# Allegro board 6089-119-RevA_41.brd (continued)
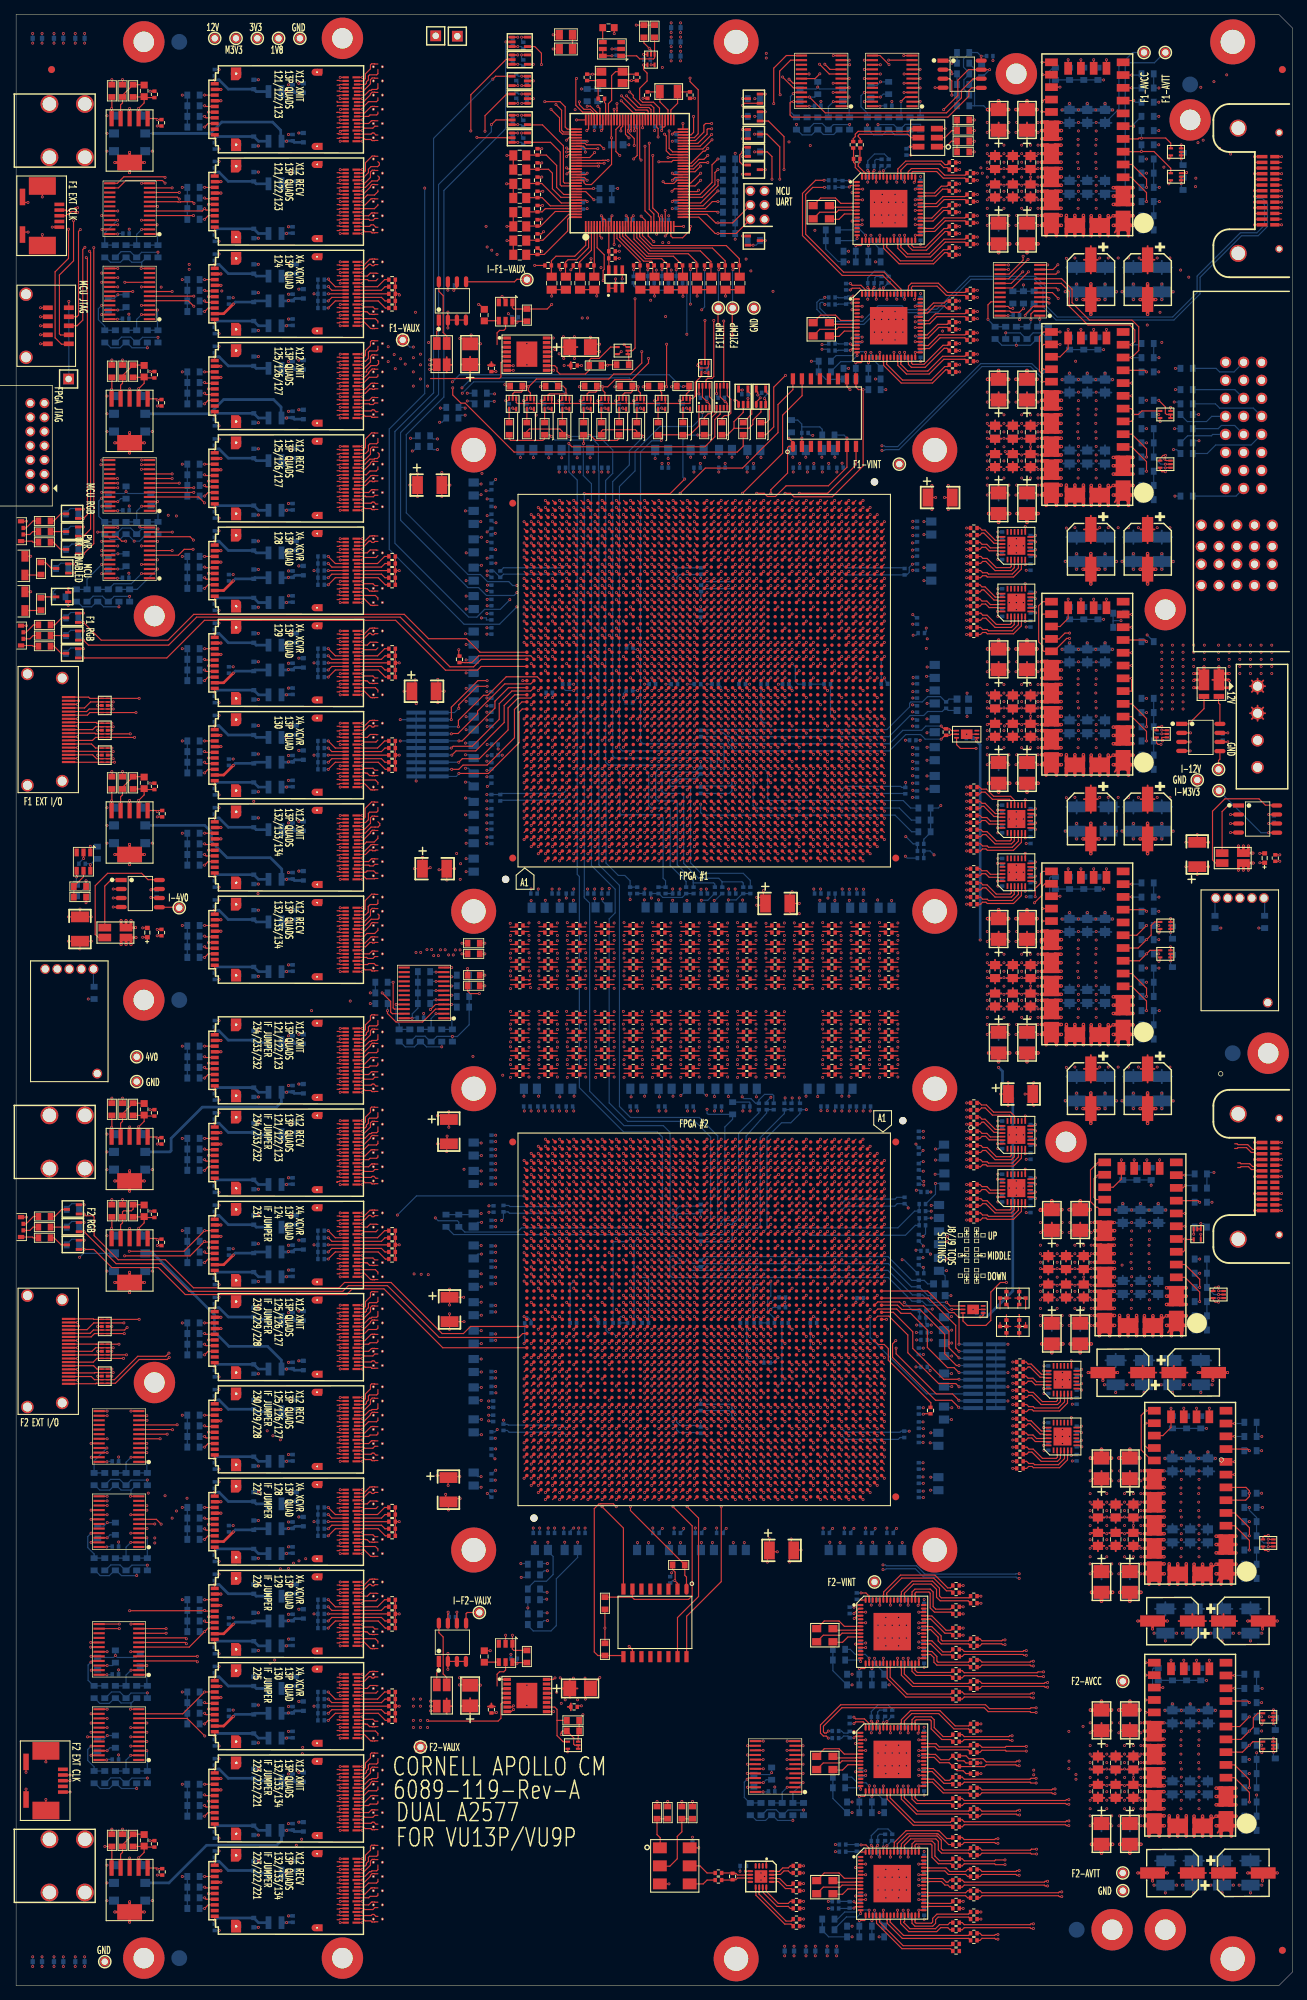
[diagram p0: board, top side]
## Routing (per net, layer and track width the routed paths; a pad name or vN(x,y) marks a point on that pad's centre or on a via; arc(x,y) is an arc through that point) (continued)
PF1_FF3_XMIT0: length 59.8
  TOP w0.165: U32A.B18 45.65,156.4 45.56,156.31 45.25,156.31 ; U75.C37 73.61,195.29
  SIG1 w0.083: 45.25,156.31 45.45,156.51 arc(45.48,156.53) 45.51,156.54 48.35,156.54 arc(48.92,156.42) 49.4,156.1 49.54,155.97 arc(50.23,155.5) 51.05,155.34 51.42,155.34 arc(52.18,155.49) 52.82,155.92 63.47,166.57 arc(63.94,167.27) 64.1,168.09 64.1,186.58 arc(64.25,187.34) 64.68,187.98 66.89,190.19 arc(67.13,190.54) 67.21,190.96 67.21,191.24 arc(67.3,191.68) 67.54,192.05 70.95,195.45 70.95,195.46 arc(71.21,195.63) 71.51,195.69 73.53,195.69 arc(73.58,195.66) 73.61,195.6 73.61,195.29
PF1_FF3_XMIT1: length 53.4
  TOP w0.165: U32A.A18 48.95,156.4 49.38,155.97 50.52,155.97 50.57,156.02 51,156.02 ; U75.A37 71.61,195.29
  SIG2 w0.083: 51,156.02 51.64,156.02 arc(51.77,156.04) 51.88,156.12 52,156.24 52.05,156.24 arc(52.08,156.25) 52.11,156.26 52.11,156.27 arc(52.14,156.29) 52.17,156.3 52.64,156.3 52.64,156.3 52.7,156.3 arc(53.16,156.39) 53.55,156.65 69.17,172.28 arc(69.78,173.19) 70,174.27 70,194.21 arc(70.09,194.66) 70.35,195.05 70.7,195.4 arc(71.02,195.62) 71.4,195.69 arc(71.55,195.63) 71.61,195.48 71.61,195.29
PF1_FF3_XMIT2: length 59
  TOP w0.165: U32A.B15 45.65,157.9 45.56,157.81 45.25,157.81 ; U75.B39 72.61,197.29
  SIG1 w0.083: 45.25,157.81 45.45,158.01 arc(45.48,158.03) 45.51,158.04 48.59,158.04 arc(48.89,157.97) 49.15,157.8 arc(49.72,157.42) 50.39,157.29 51.03,157.29 arc(51.83,157.45) 52.5,157.9 62.54,167.94 arc(62.88,168.45) 63,169.06 63,188.56 arc(63.11,189.11) 63.42,189.58 66.72,192.87 arc(66.89,193.13) 66.96,193.45 66.96,193.72 arc(67.04,194.17) 67.3,194.55 70.2,197.46 arc(70.46,197.63) 70.76,197.69 72.44,197.69 arc(72.44,197.69) 72.44,197.69 72.53,197.69 arc(72.58,197.66) 72.61,197.6 72.61,197.29
PF1_FF3_XMIT3: length 55.2
  TOP w0.165: U32A.A15 49.74,157.9 49.85,157.78 50.33,157.78 50.57,158.02 51,158.02 ; U75.A41 71.61,199.29
  SIG2 w0.083: 51,158.02 51.64,158.02 arc(51.77,158.04) 51.88,158.12 52,158.24 52.05,158.24 arc(52.08,158.25) 52.11,158.26 52.11,158.27 arc(52.14,158.29) 52.17,158.3 52.19,158.3 arc(52.84,158.42) 53.39,158.79 68.34,173.74 arc(68.83,174.48) 69,175.34 69,197.03 arc(69.13,197.69) 69.51,198.26 70.75,199.5 arc(70.97,199.65) 71.23,199.7 71.45,199.7 arc(71.56,199.65) 71.61,199.54 71.61,199.29
PF1_FF3_XMIT4: length 61.9
  TOP w0.165: U75.E41 75.61,199.29 ; U32A.B12 45.65,159.4 45.56,159.31 45.25,159.31
  SIG1 w0.083: 75.61,199.29 75.61,199.43 arc(75.53,199.61) 75.35,199.69 71,199.69 arc(70.3,199.55) 69.71,199.16 66.89,196.34 66.6,196.04 66.59,196.04 62.65,192.1 arc(62.17,191.38) 62,190.53 62,170.15 arc(61.86,169.46) 61.47,168.88 52.44,159.84 arc(51.77,159.4) 50.99,159.24 49.61,159.24 arc(49.34,159.3) 49.1,159.45 arc(49.01,159.51) 48.9,159.54 45.51,159.54 arc(45.48,159.53) 45.45,159.51 45.25,159.31
PF1_FF3_XMIT5: length 57.1
  TOP w0.165: 48.05,159.4 U32A.A12 49.25,159.4 49.87,160.02 50.16,160.02 50.25,159.93 50.62,159.93 50.71,160.02 51,160.02 ; U75.C41 73.61,199.29
  SIG2 w0.083: 73.61,199.29 73.61,199.44 arc(73.53,199.62) 73.35,199.7 72.51,199.7 arc(72.32,199.74) 72.15,199.85 72.14,199.86 arc(72.04,200.02) 72,200.2 72,200.31 arc(71.97,200.44) 71.9,200.55 arc(71.73,200.66) 71.54,200.7 71.3,200.7 arc(70.7,200.58) 70.19,200.24 68.65,198.7 arc(68.17,197.98) 68,197.13 68,176.81 arc(67.74,175.51) 67.01,174.41 53.32,160.72 arc(52.85,160.41) 52.28,160.3 52.17,160.3 arc(52.14,160.29) 52.11,160.27 52.11,160.26 arc(52.08,160.25) 52.05,160.24 52,160.24 51.88,160.12 arc(51.77,160.04) 51.64,160.02 51,160.02
PF1_FF3_XMIT6: length 59
  TOP w0.165: 45.25,160.81 45.56,160.81 45.65,160.9 U32A.B9 ; U75.B43 72.61,201.29
  SIG1 w0.083: 45.25,160.81 45.45,161.01 arc(45.48,161.03) 45.51,161.04 48.63,161.04 arc(49,161.08) 49.35,161.21 arc(49.62,161.31) 49.89,161.34 51.52,161.34 arc(52.18,161.47) 52.74,161.85 60.4,169.51 arc(60.85,170.17) 61,170.95 61,191.72 arc(61.12,192.34) 61.47,192.86 69.69,201.08 arc(70.36,201.53) 71.16,201.69 72.35,201.69 arc(72.53,201.61) 72.61,201.43 72.61,201.29
PF1_FF3_XMIT7: length 57.2
  TOP w0.165: 48,160.9 U32A.A9 49.14,160.9 49.4,161.16 50.48,161.16 51,161.68 51,162.02 ; U75.D43 74.61,201.29
  SIG2 w0.083: 74.61,201.29 74.61,201.39 arc(74.52,201.61) 74.3,201.7 71.15,201.7 arc(70.32,201.53) 69.61,201.06 67.8,199.25 arc(67.22,198.37) 67.01,197.34 67.01,177.31 arc(66.79,176.2) 66.16,175.27 53.85,162.96 arc(53.12,162.47) 52.26,162.3 52.17,162.3 arc(52.14,162.29) 52.11,162.27 52.11,162.26 arc(52.08,162.25) 52.05,162.24 52,162.24 51.88,162.12 arc(51.77,162.04) 51.64,162.02 51,162.02
PF1_FF3_XMIT8: length 63.8
  TOP w0.165: U32A.B6 45.65,162.4 45.56,162.31 45.25,162.31 ; U75.F43 76.61,201.29
  SIG1 w0.083: 45.25,162.31 45.45,162.51 arc(45.48,162.53) 45.51,162.54 48.37,162.54 arc(48.98,162.66) 49.5,163 arc(49.82,163.22) 50.19,163.29 51.74,163.29 arc(52.61,163.46) 53.36,163.96 59.24,169.84 arc(59.8,170.69) 60,171.68 60,192.41 arc(60.22,193.51) 60.84,194.44 68.48,202.08 arc(69.1,202.49) 69.84,202.64 73.77,202.64 arc(73.97,202.56) 74.05,202.36 74.05,202.15 arc(74.18,201.83) 74.5,201.7 76.4,201.7 arc(76.55,201.64) 76.61,201.49 76.61,201.29
PF1_FF3_XMIT9: length 61.1
  TOP w0.165: 48.05,162.4 U32A.A6 49.18,162.4 50.04,163.26 50.6,163.26 51.02,163.26 51.27,163.52 51.27,163.75 51,164.02 ; U75.G45 77.61,203.29
  SIG2 w0.083: 77.61,203.29 77.61,203.39 arc(77.53,203.57) 77.35,203.65 71.2,203.65 arc(70.14,203.44) 69.24,202.84 65.72,199.32 arc(65.31,198.7) 65.16,197.96 65.16,176.73 arc(64.98,175.84) 64.48,175.08 64.48,175.08 54.59,165.19 arc(53.6,164.53) 52.43,164.3 52.17,164.3 arc(52.14,164.29) 52.11,164.27 52.11,164.26 arc(52.08,164.25) 52.05,164.24 52,164.24 51.88,164.12 arc(51.77,164.04) 51.64,164.02 51,164.02
PF1_FF3_XMIT10: length 66.4
  TOP w0.165: U32A.B3 45.65,163.9 45.56,163.81 45.25,163.81 ; U75.H43 78.61,201.29
  SIG1 w0.083: 78.61,201.29 78.61,201.38 arc(78.52,201.6) 78.3,201.69 77.5,201.69 arc(77.14,201.84) 76.99,202.2 76.99,203.35 arc(76.91,203.56) 76.7,203.64 69.19,203.64 arc(68.45,203.49) 67.83,203.08 59.68,194.93 59.68,194.93 arc(59.18,194.18) 59,193.29 59,172.39 arc(58.82,171.48) 58.3,170.7 53.3,165.7 arc(52.74,165.32) 52.07,165.19 50.69,165.19 arc(50.18,165.09) 49.75,164.8 arc(48.9,164.23) 47.9,164.04 45.51,164.04 arc(45.48,164.03) 45.45,164.01 45.25,163.81
PF1_FF3_XMIT11: length 63.7
  TOP w0.165: 48,163.9 U32A.A3 49.25,163.9 49.66,164.31 49.66,165.18 49.85,165.37 50.83,165.37 51,165.54 51,166.02 ; U75.J45 79.61,203.29
  SIG2 w0.083: 51,166.02 51.64,166.02 arc(51.77,166.04) 51.88,166.12 52,166.24 52.05,166.24 arc(52.08,166.25) 52.11,166.26 52.11,166.27 arc(52.14,166.29) 52.17,166.3 52.39,166.3 arc(53.78,166.57) 54.96,167.36 59.07,171.47 arc(59.76,172.5) 60,173.71 60,194.56 arc(60.13,195.2) 60.48,195.73 68.64,203.89 arc(69.54,204.49) 70.6,204.7 77.7,204.7 arc(77.91,204.61) 78,204.4 78,204.15 arc(78.13,203.83) 78.45,203.7 79.35,203.7 arc(79.53,203.62) 79.61,203.44 79.61,203.29
PF1_FF4_RECV0: length 83.5
  TOP w0.165: U75.BA50 112.39,208.29 ; 45.25,234.97 45.58,234.97 45.65,234.9 U26A.B17
  SIG4 w0.083: 45.25,234.97 45.45,234.77 arc(45.48,234.75) 45.51,234.75 48.96,234.75 arc(49.22,234.8) 49.45,234.95 arc(49.56,235.02) 49.69,235.05 53.64,235.05 arc(53.83,235.01) 54,234.9 55.5,233.4 arc(55.55,233.38) 55.6,233.4 arc(55.65,233.42) 55.7,233.4 55.83,233.26 arc(55.85,233.21) 55.83,233.16 arc(55.81,233.12) 55.83,233.07 55.97,232.93 arc(56.02,232.91) 56.07,232.93 arc(56.12,232.95) 56.16,232.93 56.3,232.8 arc(56.32,232.75) 56.3,232.7 arc(56.28,232.65) 56.3,232.6 56.44,232.46 arc(56.48,232.44) 56.53,232.46 arc(56.58,232.48) 56.63,232.46 56.77,232.33 arc(56.79,232.28) 56.77,232.23 arc(56.75,232.18) 56.77,232.13 56.9,232 arc(56.95,231.98) 57,232 arc(57.05,232.02) 57.1,232 57.23,231.86 arc(57.25,231.81) 57.23,231.76 arc(57.21,231.72) 57.23,231.67 64.29,224.61 arc(65.08,224.08) 66,223.9 94.79,223.9 arc(95.86,223.69) 96.76,223.08 109.44,210.41 arc(109.85,209.79) 110,209.05 110,208.11 arc(110.06,207.96) 110.21,207.9 112.53,207.9 arc(112.71,207.98) 112.79,208.16 112.79,208.5 arc(112.74,208.63) 112.6,208.69 112.47,208.69 arc(112.42,208.66) 112.39,208.6 112.39,208.29
PF1_FF4_RECV1: length 80.8
  TOP w0.165: U26A.A17 50.65,234.9 51,234.55 51,234.28 ; U75.AY48 111.39,206.29
  SIG3 w0.083: 51,234.28 51.64,234.28 arc(51.77,234.26) 51.88,234.18 52,234.06 52.05,234.06 arc(52.08,234.05) 52.11,234.04 52.11,234.03 arc(52.14,234.01) 52.17,234 53.9,234 arc(54.82,233.82) 55.6,233.3 60.23,228.67 arc(60.28,228.65) 60.33,228.67 arc(60.37,228.69) 60.42,228.67 60.56,228.53 arc(60.58,228.48) 60.56,228.44 arc(60.54,228.39) 60.56,228.34 60.7,228.2 arc(60.75,228.18) 60.79,228.2 arc(60.84,228.22) 60.89,228.2 61.03,228.06 arc(61.05,228.02) 61.03,227.97 arc(61.01,227.92) 61.03,227.87 61.16,227.74 arc(61.21,227.72) 61.26,227.74 arc(61.31,227.75) 61.35,227.74 61.49,227.6 arc(61.51,227.55) 61.49,227.5 arc(61.47,227.45) 61.49,227.41 61.63,227.27 arc(61.68,227.25) 61.73,227.27 arc(61.77,227.29) 61.82,227.27 61.96,227.13 arc(61.98,227.08) 61.96,227.03 arc(61.94,226.99) 61.96,226.94 65.35,223.55 arc(66.07,223.07) 66.92,222.9 95.92,222.9 arc(96.87,222.71) 97.67,222.18 108.4,211.45 arc(108.84,210.79) 109,210 109,206.11 arc(109.06,205.96) 109.21,205.9 111.53,205.9 arc(111.71,205.98) 111.79,206.16 111.79,206.5 arc(111.74,206.63) 111.6,206.69 111.47,206.69 arc(111.42,206.66) 111.39,206.6 111.39,206.29
PF1_FF4_RECV2: length 81.1
  TOP w0.165: 45.25,236.47 45.58,236.47 45.65,236.4 U26A.B14 ; U75.AW50 110.39,208.29
  SIG4 w0.083: 110.39,208.29 110.39,208.6 arc(110.42,208.66) 110.47,208.69 110.56,208.69 arc(110.88,208.82) 111.01,209.14 111.01,210.05 arc(110.92,210.5) 110.66,210.89 97,224.55 arc(96.61,224.81) 96.15,224.9 66.91,224.9 arc(66.07,225.07) 65.36,225.54 54.45,236.45 arc(53.89,236.83) 53.23,236.96 50.55,236.96 arc(50.01,236.85) 49.55,236.55 arc(49.22,236.32) 48.82,236.25 45.51,236.25 arc(45.48,236.25) 45.45,236.27 45.25,236.47
PF1_FF4_RECV3: length 78.2
  TOP w0.165: U26A.A14 48.86,236.4 49.01,236.55 50.3,236.55 50.57,236.28 51,236.28 ; U75.AV48 109.39,206.29
  SIG3 w0.083: 51,236.28 51.64,236.28 arc(51.77,236.26) 51.88,236.18 52,236.06 52.05,236.06 arc(52.08,236.05) 52.11,236.04 52.11,236.03 arc(52.14,236.01) 52.17,236 53.86,236 arc(54.82,235.81) 55.63,235.27 66.75,224.15 arc(67.03,223.97) 67.36,223.9 96.86,223.9 arc(97.59,223.75) 98.21,223.34 109.25,212.3 arc(109.81,211.46) 110.01,210.47 110.01,207.14 arc(109.88,206.82) 109.56,206.69 109.47,206.69 arc(109.42,206.66) 109.39,206.6 109.39,206.29
PF1_FF4_XMIT0: length 86.2
  TOP w0.165: U26A.A3 49.09,241.9 49.75,242.56 49.99,242.56 50.18,242.37 50.42,242.37 50.57,242.52 51,242.52 ; U75.BA45 112.39,203.29
  SIG2 w0.083: 112.39,203.29 112.39,203.56 arc(112.35,203.65) 112.27,203.69 112.14,203.69 arc(111.9,203.79) 111.8,204.03 111.8,210.98 arc(111.63,211.83) 111.15,212.56 98.68,225.03 arc(97.94,225.52) 97.07,225.69 71.41,225.69 arc(70.3,225.91) 69.36,226.54 53.44,242.46 arc(53.07,242.71) 52.62,242.8 52.17,242.8 arc(52.14,242.79) 52.11,242.77 52.11,242.76 arc(52.08,242.75) 52.05,242.74 52,242.74 51.88,242.62 arc(51.77,242.54) 51.64,242.52 51,242.52
PF1_FF4_XMIT1: length 89.8
  TOP w0.165: U75.AY43 111.39,201.29 ; U26A.B3 45.65,241.9 45.56,241.81 45.25,241.81
  SIG1 w0.083: 45.25,241.81 45.45,242.01 arc(45.48,242.03) 45.51,242.04 49.25,242.04 arc(49.36,242.01) 49.45,241.95 arc(49.69,241.8) 49.96,241.74 53.6,241.74 arc(54.12,241.64) 54.56,241.34 69.63,226.27 arc(70.27,225.84) 71.03,225.69 94.99,225.69 arc(95.52,225.59) 95.97,225.29 110.54,210.71 arc(110.73,210.43) 110.8,210.09 110.8,202.03 arc(110.84,201.88) 110.93,201.76 arc(111.03,201.7) 111.14,201.69 111.27,201.69 arc(111.35,201.65) 111.39,201.56 111.39,201.29
PF1_FF4_XMIT2: length 83
  TOP w0.165: U26A.A6 49.55,240.4 49.7,240.25 50.73,240.25 51,240.52 ; U75.AW45 110.39,203.29
  SIG2 w0.083: 51,240.52 51.64,240.52 arc(51.77,240.54) 51.88,240.62 52,240.74 52.05,240.74 arc(52.08,240.75) 52.11,240.76 52.11,240.77 arc(52.14,240.79) 52.17,240.8 52.42,240.8 arc(52.78,240.72) 53.08,240.52 68.23,225.37 arc(68.99,224.87) 69.88,224.69 96.15,224.69 arc(96.53,224.61) 96.86,224.4 109.05,212.2 arc(109.61,211.37) 109.8,210.39 109.8,204.03 arc(109.9,203.79) 110.14,203.69 110.27,203.69 arc(110.35,203.65) 110.39,203.56 110.39,203.29
PF1_FF4_XMIT3: length 87.2
  TOP w0.165: U75.AV43 109.39,201.29 ; U26A.B6 45.8,240.4 45.7,240.3 45.26,240.3
  SIG1 w0.083: 45.26,240.3 45.49,240.53 45.69,240.53 45.7,240.54 49.02,240.54 arc(49.39,240.46) 49.7,240.25 arc(50.21,239.91) 50.82,239.79 53.15,239.79 arc(53.76,239.67) 54.28,239.32 68.44,225.17 arc(68.96,224.81) 69.59,224.69 94.16,224.69 arc(94.81,224.56) 95.36,224.19 108.45,211.11 arc(108.71,210.72) 108.8,210.25 108.8,202.03 arc(108.84,201.88) 108.93,201.76 arc(109.03,201.7) 109.14,201.69 109.27,201.69 arc(109.35,201.65) 109.39,201.56 109.39,201.29
PF1_FF5_RECV0: length 67.9
  TOP w0.165: U29A.B17 45.65,195.9 45.58,195.97 45.25,195.97 ; U75.AE50 95.61,208.29
  SIG4 w0.083: 45.25,195.97 45.45,195.77 arc(45.48,195.75) 45.51,195.75 48.96,195.75 arc(49.22,195.8) 49.45,195.95 arc(49.56,196.02) 49.69,196.05 50.67,196.05 arc(51.36,196.19) 51.94,196.57 52.37,197.01 arc(52.39,197.06) 52.37,197.11 arc(52.35,197.17) 52.37,197.22 52.5,197.35 arc(52.55,197.37) 52.61,197.35 arc(52.66,197.32) 52.71,197.35 52.84,197.48 arc(52.86,197.53) 52.84,197.58 arc(52.82,197.63) 52.84,197.68 52.97,197.81 arc(53.02,197.83) 53.07,197.81 arc(53.12,197.79) 53.18,197.81 53.31,197.94 arc(53.33,197.99) 53.31,198.05 arc(53.28,198.1) 53.31,198.15 53.44,198.28 arc(53.49,198.3) 53.54,198.28 arc(53.59,198.26) 53.64,198.28 53.77,198.41 arc(53.79,198.46) 53.77,198.51 arc(53.75,198.57) 53.77,198.62 53.9,198.75 arc(53.95,198.77) 54.01,198.75 arc(54.06,198.73) 54.11,198.75 55.41,200.05 arc(55.44,200.08) 55.46,200.11 arc(55.67,200.47) 55.78,200.88 arc(55.79,200.92) 55.79,200.96 arc(55.86,201.27) 56.04,201.54 70.01,215.51 arc(70.45,215.8) 70.96,215.9 86.95,215.9 arc(87.55,215.78) 88.05,215.45 93.25,210.25 93.25,208.18 arc(93.27,208.06) 93.34,207.96 arc(93.46,207.88) 93.6,207.85 95.83,207.85 arc(95.89,207.86) 95.95,207.9 arc(96.02,208.01) 96.05,208.14 96.05,208.41 arc(95.97,208.61) 95.77,208.69 95.69,208.69 arc(95.63,208.66) 95.61,208.6 95.61,208.29
PF1_FF5_RECV1: length 64
  TOP w0.165: U29A.A17 50.65,195.9 51,195.55 51,195.28 ; U75.AD48 94.61,206.29
  SIG3 w0.083: 94.61,206.29 94.61,206.6 arc(94.63,206.66) 94.69,206.69 94.77,206.69 arc(94.97,206.61) 95.05,206.41 95.05,206.14 arc(95.02,206.01) 94.95,205.9 arc(94.89,205.86) 94.83,205.85 92.6,205.85 arc(92.46,205.88) 92.34,205.96 arc(92.27,206.06) 92.25,206.18 92.25,209.2 arc(92.11,209.89) 91.72,210.47 88.92,213.28 arc(88.23,213.74) 87.41,213.9 71.6,213.9 arc(70.12,213.61) 68.87,212.77 59.36,203.26 arc(59.31,203.24) 59.26,203.26 arc(59.21,203.28) 59.16,203.26 59.03,203.12 arc(59.01,203.07) 59.03,203.03 arc(59.05,202.98) 59.03,202.93 58.89,202.79 arc(58.84,202.77) 58.79,202.79 arc(58.75,202.81) 58.7,202.79 58.56,202.66 arc(58.54,202.61) 58.56,202.56 arc(58.58,202.51) 58.56,202.46 58.42,202.32 arc(58.38,202.3) 58.33,202.32 arc(58.28,202.35) 58.23,202.32 58.09,202.19 arc(58.07,202.14) 58.09,202.09 arc(58.11,202.04) 58.09,201.99 57.96,201.86 arc(57.91,201.84) 57.86,201.86 arc(57.81,201.88) 57.76,201.86 57.63,201.72 arc(57.61,201.67) 57.63,201.62 arc(57.65,201.58) 57.63,201.53 56.44,200.34 arc(55.96,199.62) 55.79,198.78 arc(55.58,197.83) 55.06,197.01 53.51,195.46 arc(53.01,195.12) 52.41,195 52.17,195 arc(52.14,195.01) 52.11,195.03 52.11,195.04 arc(52.08,195.05) 52.05,195.06 52,195.06 51.88,195.18 arc(51.77,195.26) 51.64,195.28 51,195.28
PF1_FF5_RECV2: length 63.9
  TOP w0.165: 45.25,197.47 45.58,197.47 45.65,197.4 U29A.B14 ; U75.AC50 93.61,208.29
  SIG4 w0.083: 45.25,197.47 45.45,197.27 arc(45.48,197.25) 45.51,197.25 48.82,197.25 arc(49.22,197.32) 49.55,197.55 arc(49.99,197.85) 50.51,197.96 arc(50.56,197.96) 50.6,197.97 arc(51.02,198.08) 51.39,198.3 arc(51.43,198.32) 51.46,198.35 69.36,216.26 arc(70.07,216.73) 70.91,216.9 87.16,216.9 arc(87.75,216.78) 88.25,216.45 94.2,210.5 94.2,209.11 arc(94.08,208.81) 93.77,208.69 93.69,208.69 arc(93.63,208.66) 93.61,208.6 93.61,208.29
PF1_FF5_RECV3: length 60.1
  TOP w0.165: U29A.A14 48.86,197.4 49.01,197.55 50.3,197.55 50.57,197.28 51,197.28 ; U75.AB48 92.61,206.29
  SIG3 w0.083: 51,197.28 51.64,197.28 arc(51.77,197.26) 51.88,197.18 52,197.06 52.05,197.06 arc(52.08,197.05) 52.11,197.04 52.11,197.03 arc(52.14,197.01) 52.17,197 52.32,197 arc(53.05,197.15) 53.67,197.56 54.46,198.35 arc(54.7,198.72) 54.79,199.16 54.79,199.38 arc(54.96,200.22) 55.44,200.94 68.76,214.26 arc(69.47,214.73) 70.31,214.9 87.81,214.9 arc(88.54,214.75) 89.16,214.34 92.49,211.01 arc(93.05,210.17) 93.25,209.17 93.25,207.16 arc(93.11,206.83) 92.77,206.69 92.69,206.69 arc(92.63,206.66) 92.61,206.6 92.61,206.29
PF1_FF5_XMIT0: length 60.2
  TOP w0.165: U29A.A3 49.09,202.9 49.75,203.56 49.99,203.56 50.18,203.37 50.42,203.37 50.57,203.52 51,203.52 ; U75.AE45 95.61,203.29
  SIG2 w0.083: 95.61,203.29 95.61,203.6 arc(95.58,203.66) 95.53,203.69 arc(95.53,203.69) 95.53,203.69 arc(95.5,203.69) 95.48,203.69 95.39,203.69 arc(95.14,203.79) 95.04,204.04 95.04,209.05 arc(94.9,209.76) 94.5,210.35 91.99,212.86 arc(91.07,213.48) 89.99,213.69 66.18,213.69 arc(65.36,213.53) 64.66,213.06 56.2,204.6 arc(55.31,204) 54.26,203.8 52.17,203.8 arc(52.14,203.79) 52.11,203.77 52.11,203.76 arc(52.08,203.75) 52.05,203.74 52,203.74 51.88,203.62 arc(51.77,203.54) 51.64,203.52 51,203.52
PF1_FF5_XMIT1: length 65.8
  TOP w0.165: U75.AD43 94.61,201.29 ; 45.25,202.81 45.56,202.81 45.65,202.9 U29A.B3
  SIG1 w0.083: 45.25,202.81 45.45,203.01 arc(45.48,203.03) 45.51,203.04 49.25,203.04 arc(49.36,203.01) 49.45,202.95 arc(49.69,202.8) 49.96,202.74 53.75,202.74 arc(54.3,202.85) 54.76,203.16 64.59,212.99 arc(65.37,213.51) 66.28,213.69 89.77,213.69 arc(90.64,213.52) 91.38,213.03 93.8,210.6 arc(93.98,210.34) 94.04,210.03 94.04,202.04 arc(94.14,201.79) 94.39,201.69 94.48,201.69 arc(94.5,201.69) 94.53,201.69 arc(94.53,201.69) 94.53,201.69 arc(94.58,201.66) 94.61,201.6 94.61,201.29
PF1_FF5_XMIT2: length 58
  TOP w0.165: U29A.A6 48.86,201.4 49.01,201.25 50.73,201.25 51,201.52 ; U75.AC45 93.61,203.29
  SIG2 w0.083: 51,201.52 51.64,201.52 arc(51.77,201.54) 51.88,201.62 52,201.74 52.05,201.74 arc(52.08,201.75) 52.11,201.76 52.11,201.77 arc(52.14,201.79) 52.17,201.8 53.92,201.8 arc(55.1,202.03) 56.09,202.69 65.46,212.06 arc(66.16,212.53) 66.98,212.69 89.17,212.69 arc(90.04,212.52) 90.78,212.03 92.57,210.23 arc(92.92,209.71) 93.04,209.1 93.04,204.04 arc(93.14,203.79) 93.39,203.69 93.48,203.69 arc(93.5,203.69) 93.53,203.69 arc(93.53,203.69) 93.53,203.69 arc(93.58,203.66) 93.61,203.6 93.61,203.29
PF1_FF5_XMIT3: length 63.7
  TOP w0.165: U75.AB43 92.61,201.29 ; U29A.B6 45.65,201.4 45.56,201.31 45.25,201.31
  SIG1 w0.083: 45.25,201.31 45.45,201.51 arc(45.48,201.53) 45.51,201.54 49.02,201.54 arc(49.39,201.46) 49.7,201.25 arc(50.21,200.91) 50.82,200.79 53.47,200.79 arc(54.14,200.92) 54.7,201.3 65.62,212.22 arc(66.14,212.57) 66.75,212.69 88.6,212.69 arc(89.17,212.58) 89.64,212.26 91.54,210.36 arc(91.91,209.81) 92.04,209.16 92.04,202.04 arc(92.14,201.79) 92.39,201.69 92.48,201.69 arc(92.5,201.69) 92.53,201.69 arc(92.53,201.69) 92.53,201.69 arc(92.58,201.66) 92.61,201.6 92.61,201.29
PF1_FF6_RECV0: length 74.4
  TOP w0.165: 45.25,182.97 45.58,182.97 45.65,182.9 U30A.B17 ; U75.AA50 91.61,208.29
  SIG4 w0.083: 91.61,208.29 91.61,208.6 arc(91.63,208.66) 91.69,208.69 91.77,208.69 arc(91.97,208.61) 92.05,208.41 92.05,208.14 arc(92.02,208.01) 91.95,207.9 arc(91.89,207.86) 91.83,207.85 89.6,207.85 arc(89.46,207.88) 89.34,207.96 arc(89.27,208.06) 89.25,208.18 89.25,209.37 arc(89.09,210.18) 88.63,210.87 86.07,213.43 arc(85.55,213.78) 84.93,213.9 72,213.9 arc(71.35,213.77) 70.8,213.4 58.29,200.89 arc(57.92,200.34) 57.79,199.68 57.79,188.62 arc(57.58,187.57) 56.99,186.68 56.33,186.02 arc(56.27,186) 56.22,186.02 arc(56.17,186.04) 56.12,186.02 55.99,185.89 arc(55.97,185.84) 55.99,185.79 arc(56.01,185.74) 55.99,185.68 55.86,185.56 arc(55.81,185.53) 55.75,185.56 arc(55.7,185.58) 55.65,185.56 55.52,185.43 arc(55.5,185.37) 55.52,185.32 arc(55.54,185.27) 55.52,185.22 55.39,185.09 arc(55.34,185.07) 55.29,185.09 arc(55.24,185.11) 55.18,185.09 55.05,184.96 arc(55.03,184.91) 55.05,184.86 arc(55.08,184.8) 55.05,184.75 54.93,184.62 arc(54.87,184.6) 54.82,184.62 arc(54.77,184.64) 54.72,184.62 54.59,184.49 arc(54.57,184.44) 54.59,184.39 arc(54.61,184.34) 54.59,184.28 54.03,183.72 arc(53.28,183.22) 52.4,183.05 49.69,183.05 arc(49.56,183.02) 49.45,182.95 arc(49.22,182.8) 48.96,182.75 45.51,182.75 arc(45.48,182.75) 45.45,182.77 45.25,182.97
PF1_FF6_RECV1: length 70.2
  TOP w0.165: 51,182.28 51,182.55 50.65,182.9 U30A.A17 ; U75.Y48 90.61,206.29
  SIG3 w0.083: 90.61,206.29 90.61,206.6 arc(90.63,206.66) 90.69,206.69 90.77,206.69 arc(90.97,206.61) 91.05,206.41 91.05,206.14 arc(91.02,206.01) 90.95,205.9 arc(90.89,205.86) 90.83,205.85 88.6,205.85 arc(88.46,205.88) 88.34,205.96 arc(88.27,206.06) 88.25,206.18 88.25,209.21 arc(88.09,210.03) 87.63,210.72 86.97,211.37 arc(86.39,211.76) 85.7,211.9 79.65,211.9 arc(79.61,211.92) 79.59,211.96 arc(79.58,211.99) 79.54,212.01 79.32,212.01 arc(79.28,211.99) 79.26,211.96 arc(79.25,211.92) 79.21,211.9 78.99,211.9 arc(78.95,211.92) 78.93,211.96 arc(78.92,211.99) 78.88,212.01 78.66,212.01 arc(78.62,211.99) 78.6,211.96 arc(78.59,211.92) 78.55,211.9 78.33,211.9 arc(78.29,211.92) 78.27,211.96 arc(78.26,211.99) 78.22,212.01 78,212.01 arc(77.96,211.99) 77.94,211.96 arc(77.93,211.92) 77.89,211.9 77.67,211.9 arc(77.63,211.92) 77.61,211.96 arc(77.6,211.99) 77.56,212.01 77.34,212.01 arc(77.3,211.99) 77.28,211.96 arc(77.27,211.92) 77.23,211.9 77.01,211.9 arc(76.97,211.92) 76.95,211.96 arc(76.94,211.99) 76.9,212.01 76.68,212.01 arc(76.64,211.99) 76.62,211.96 arc(76.61,211.92) 76.57,211.9 71.76,211.9 arc(70.36,211.62) 69.19,210.84 58.53,200.18 arc(57.98,199.36) 57.79,198.39 57.79,187.74 arc(57.59,186.72) 57.02,185.87 53.47,182.32 arc(53.12,182.09) 52.7,182 52.17,182 arc(52.14,182.01) 52.11,182.03 52.11,182.04 arc(52.08,182.05) 52.05,182.06 52,182.06 51.88,182.18 arc(51.77,182.26) 51.64,182.28 51,182.28
PF1_FF6_RECV2: length 70.7
  TOP w0.165: U75.W50 89.61,208.29 ; 45.25,184.47 45.58,184.47 45.65,184.4 U30A.B14
  SIG4 w0.083: 89.61,208.29 89.61,208.6 arc(89.63,208.66) 89.69,208.69 89.77,208.69 arc(90.08,208.81) 90.2,209.11 90.2,209.8 arc(90.08,210.4) 89.74,210.91 86.37,214.28 arc(85.68,214.74) 84.87,214.9 71.71,214.9 arc(71.05,214.77) 70.5,214.4 57.42,201.32 arc(56.95,200.62) 56.79,199.8 56.79,189.04 arc(56.6,188.07) 56.05,187.24 54.33,185.53 arc(53.7,185.11) 52.96,184.96 50.55,184.96 arc(50.01,184.85) 49.55,184.55 arc(49.22,184.32) 48.82,184.25 45.51,184.25 arc(45.48,184.25) 45.45,184.27 45.25,184.47
PF1_FF6_RECV3: length 65.9
  TOP w0.165: 51,184.28 50.57,184.28 50.3,184.55 49.01,184.55 48.86,184.4 U30A.A14 ; U75.V48 88.61,206.29
  SIG3 w0.083: 88.61,206.29 88.61,206.6 arc(88.63,206.66) 88.69,206.69 88.77,206.69 arc(89.11,206.83) 89.25,207.16 89.25,209.17 arc(89.05,210.17) 88.49,211.01 87.16,212.34 arc(86.54,212.75) 85.81,212.9 71.71,212.9 arc(70.41,212.64) 69.3,211.9 57.44,200.04 arc(56.96,199.32) 56.79,198.48 56.79,187.98 arc(56.69,187.48) 56.41,187.05 53.94,184.59 arc(53.3,184.16) 52.53,184 52.17,184 arc(52.14,184.01) 52.11,184.03 52.11,184.04 arc(52.08,184.05) 52.05,184.06 52,184.06 51.88,184.18 arc(51.77,184.26) 51.64,184.28 51,184.28
PF1_FF6_XMIT0: length 62
  TOP w0.165: 51,190.52 50.57,190.52 50.42,190.37 50.18,190.37 49.99,190.56 49.75,190.56 49.09,189.9 U30A.A3 ; U75.AA45 91.61,203.29
  SIG2 w0.083: 51,190.52 51.64,190.52 arc(51.77,190.54) 51.88,190.62 52,190.74 52.05,190.74 arc(52.08,190.75) 52.11,190.76 52.11,190.77 arc(52.14,190.79) 52.17,190.8 52.67,190.8 arc(53.11,190.88) 53.48,191.13 55.24,192.89 arc(55.8,193.73) 56,194.73 56,195.96 arc(56.27,197.29) 57.02,198.43 69.49,210.89 arc(70.37,211.48) 71.42,211.69 88.17,211.69 arc(89.04,211.52) 89.78,211.03 90.64,210.17 arc(90.94,209.72) 91.04,209.19 91.04,204.04 arc(91.14,203.79) 91.39,203.69 91.48,203.69 arc(91.5,203.69) 91.53,203.69 arc(91.53,203.69) 91.53,203.69 arc(91.58,203.66) 91.61,203.6 91.61,203.29
PF1_FF6_XMIT1: length 70.2
  TOP w0.165: 45.25,189.81 45.56,189.81 45.65,189.9 U30A.B3 ; U75.Y43 90.61,201.29
  SIG1 w0.083: 45.25,189.81 45.45,190.01 arc(45.48,190.03) 45.51,190.04 49.25,190.04 arc(49.36,190.01) 49.45,189.95 arc(49.69,189.8) 49.96,189.74 52.47,189.74 arc(53.23,189.89) 53.87,190.32 54.5,190.95 arc(54.87,191.5) 55,192.16 55,199.38 arc(55.15,200.14) 55.58,200.78 65.96,211.16 arc(66.55,211.55) 67.25,211.69 87.27,211.69 arc(88.05,211.54) 88.7,211.1 89.81,209.99 arc(89.98,209.73) 90.04,209.43 90.04,202.04 arc(90.14,201.79) 90.39,201.69 90.48,201.69 arc(90.5,201.69) 90.53,201.69 arc(90.53,201.69) 90.53,201.69 arc(90.58,201.66) 90.61,201.6 90.61,201.29
PF1_FF6_XMIT2: length 59.8
  TOP w0.165: 51,188.52 50.73,188.25 49.01,188.25 48.86,188.4 U30A.A6 ; U75.W45 89.61,203.29
  SIG2 w0.083: 51,188.52 51.64,188.52 arc(51.77,188.54) 51.88,188.62 52,188.74 52.05,188.74 arc(52.08,188.75) 52.11,188.76 52.11,188.77 arc(52.14,188.79) 52.17,188.8 52.78,188.8 arc(53.35,188.91) 53.83,189.23 56.37,191.77 arc(56.84,192.47) 57,193.29 57,195.23 arc(57.17,196.08) 57.65,196.81 70.9,210.06 arc(71.61,210.53) 72.44,210.69 87.59,210.69 arc(88.03,210.6) 88.4,210.36 88.54,210.21 arc(88.91,209.66) 89.04,209.01 89.04,204.04 arc(89.14,203.79) 89.39,203.69 89.48,203.69 arc(89.5,203.69) 89.53,203.69 arc(89.53,203.69) 89.53,203.69 arc(89.58,203.66) 89.61,203.6 89.61,203.29